# Altium PCB PCBDesign.PcbDoc (part 3 of 8) (continued)
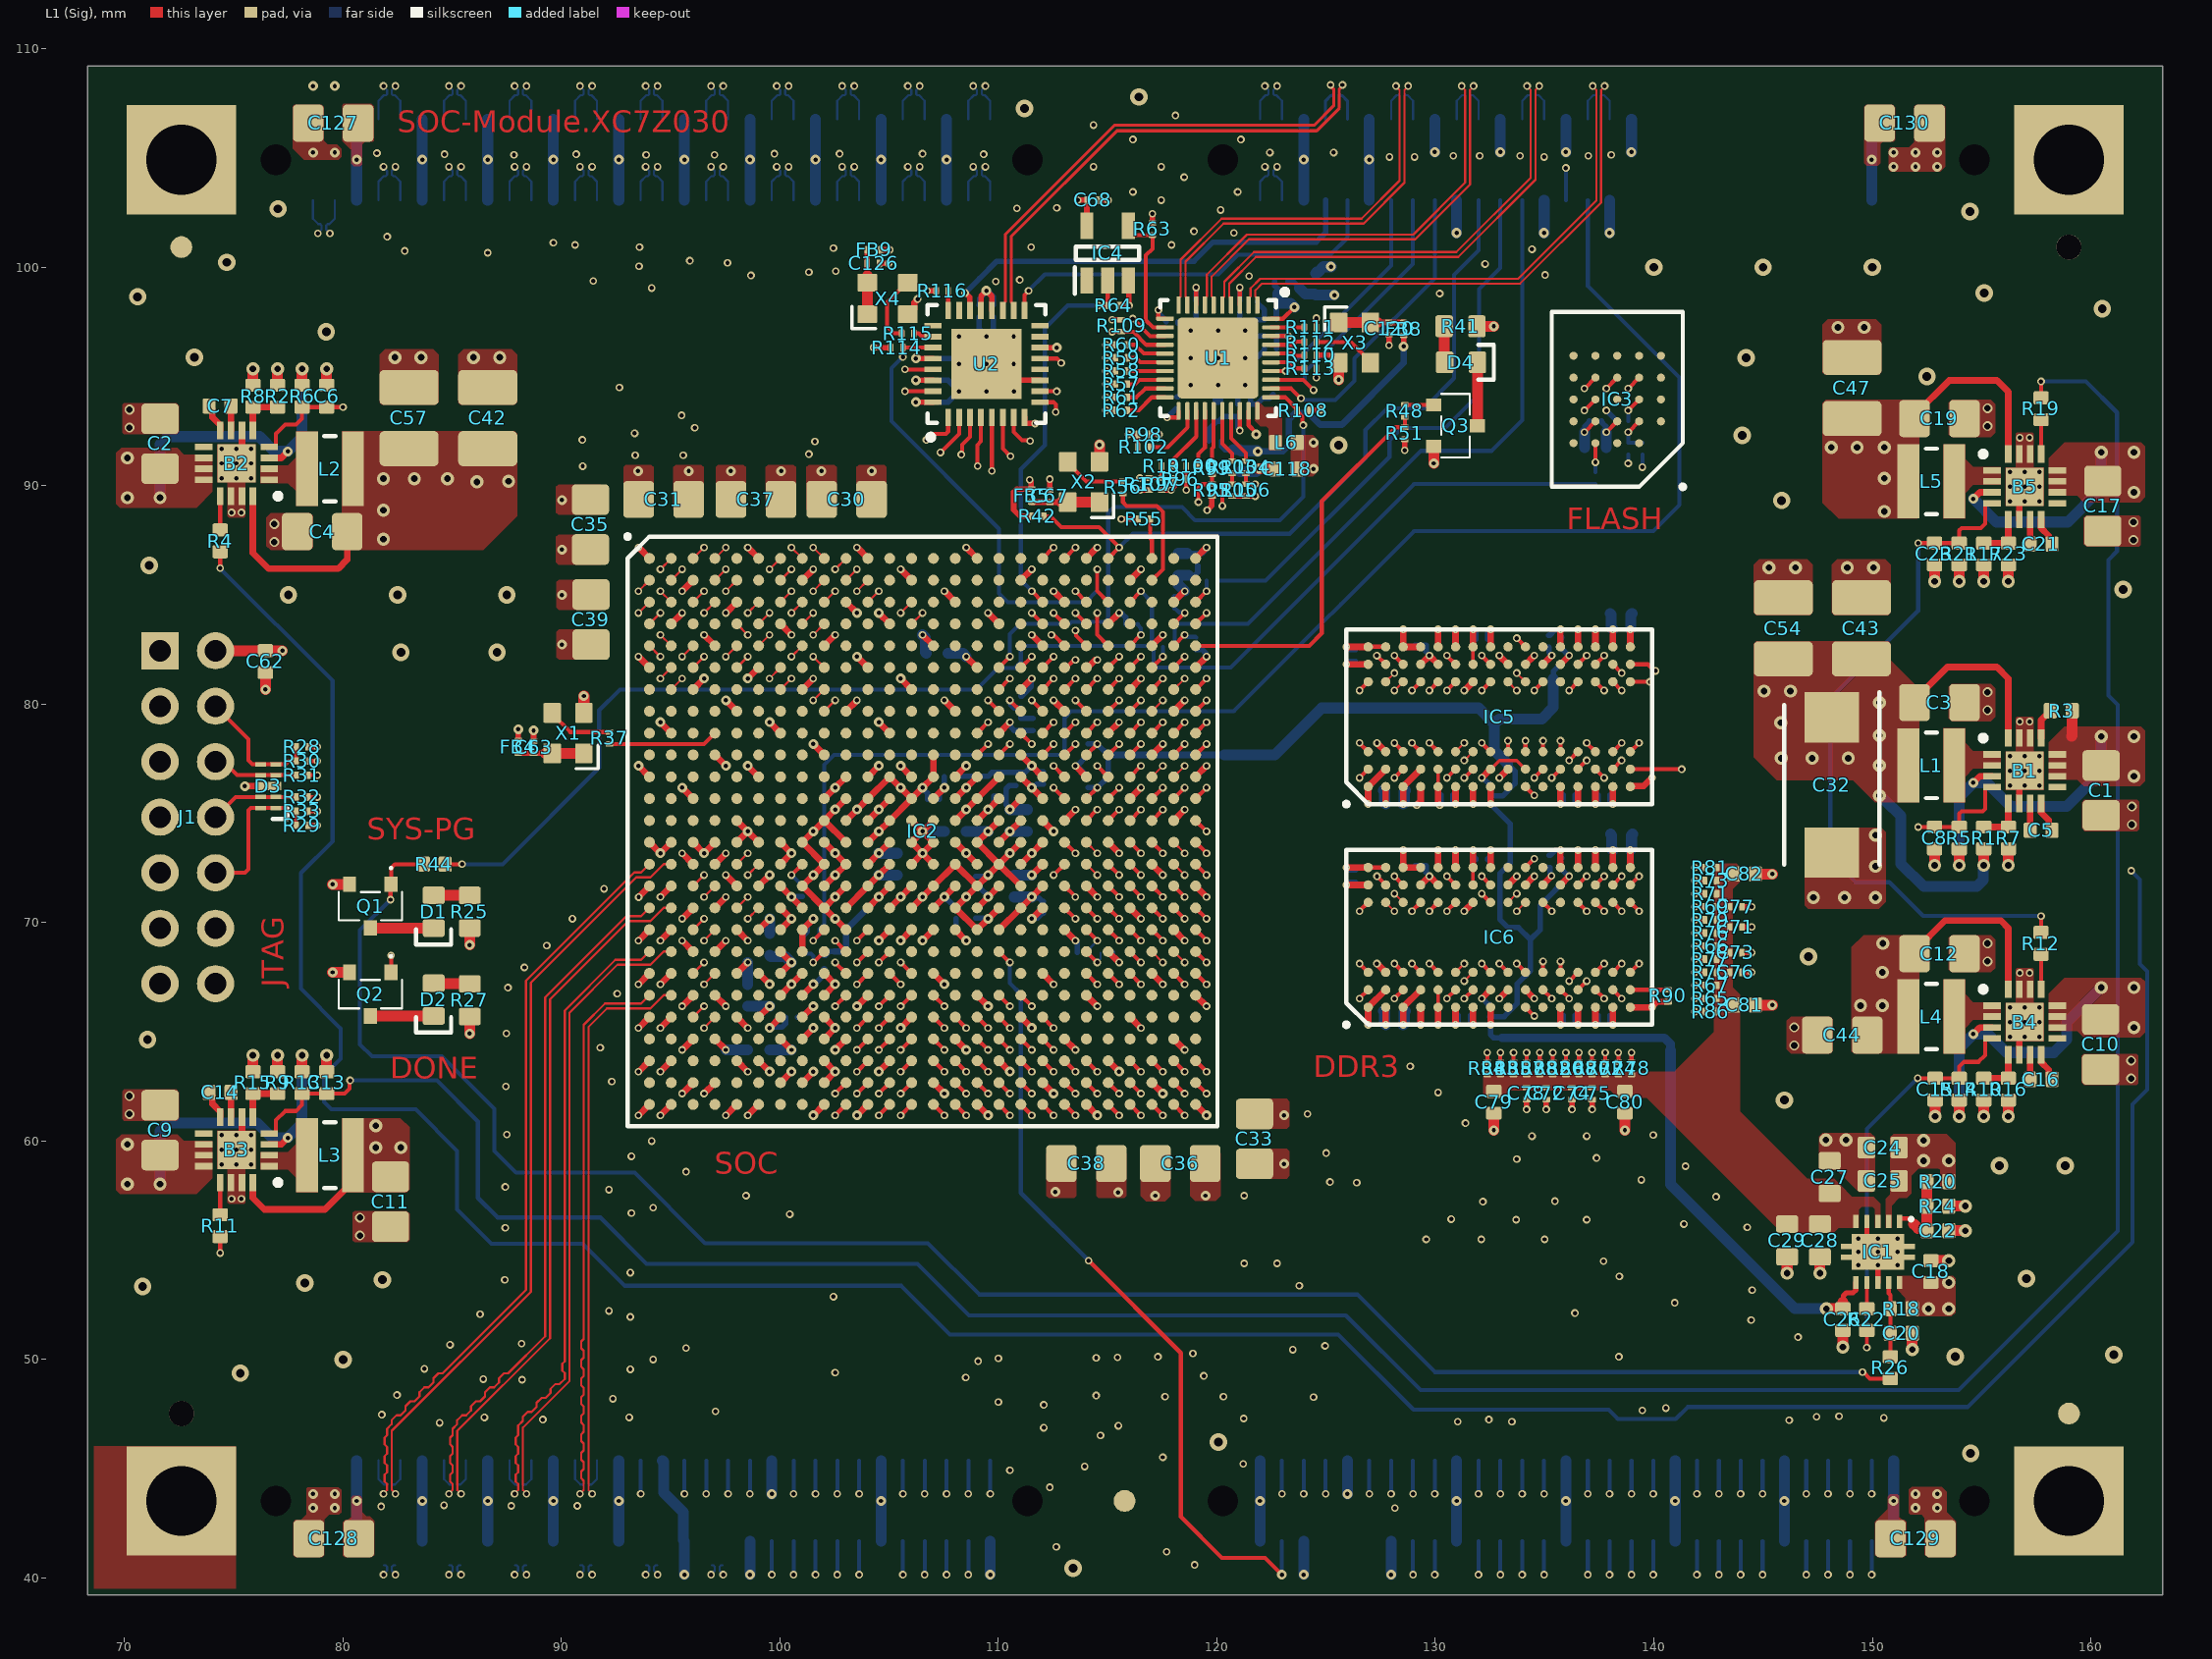
[diagram p0: L1 (Sig) view]
## Nets (pads, with @x,y where several pads share a name; then routed paths per layer and width w, separated by ;. In a path a pad name is that pad's centre, name@x,y a point inside that pad or via, vN(x,y) a via of type N, cw(c..) or ccw(c..) an arc to the next point about the centre after c; other vN are vias at no path point) (continued)
  L10 (Sig) w0.185: v1(107.625,40.15) J5.5@107.625,41.675
B12_IO19N: IC2.AA17 J3.23 | length 61.7
  L1 (Sig) w0.185: IC2.AA17@110.025,66.675 v1(110.525,66.175)
  L7 (Sig) w0.11: v1(110.525,66.175) 111.025,65.675 111.025,62.025 111.375,61.675 125.25,61.675 130.075,56.85 139.675,56.85 141.975,54.55 141.975,44.514 141.911,44.45 141.539,44.45 141.475,44.386 141.475,43.514 141.539,43.45 141.911,43.45 141.975,43.386 141.975,42.875 141.975,42.82 142.039,42.756 142.352,42.756 142.403,42.705 142.403,42.297 142.352,42.246 140.914,42.246 140.863,42.195 140.863,41.787 140.914,41.736 142.352,41.736 142.403,41.685 142.403,41.277 142.352,41.226 140.914,41.226 140.863,41.175 140.863,40.767 140.914,40.716 141.911,40.716 141.975,40.651 141.975,40.225 v1(141.975,40.15)
  L10 (Sig) w0.185: v1(141.975,40.15) J3.23@141.975,41.675
B12_IO20N: IC2.AB16 J3.29 | length 59.9
  L1 (Sig) w0.185: IC2.AB16@109.025,65.675 v1(109.525,65.175)
  L7 (Sig) w0.11: v1(109.525,65.175) 109.025,64.675 109.025,60.65 110.175,59.5 124.375,59.5 128.9,54.975 138.35,54.975 138.975,54.35 138.975,47.675 138.975,47.559 138.911,47.494 138.656,47.494 138.605,47.443 138.605,47.035 138.656,46.984 139.216,46.984 139.267,46.933 139.267,46.525 139.216,46.474 138.656,46.474 138.605,46.423 138.605,46.015 138.656,45.964 139.216,45.964 139.267,45.913 139.267,45.505 139.216,45.454 138.656,45.454 138.605,45.403 138.605,44.995 138.656,44.944 138.911,44.944 138.975,44.88 138.975,44.825 138.975,44.364 138.911,44.3 138.539,44.3 138.475,44.236 138.475,43.539 138.539,43.475 138.911,43.475 138.975,43.411 138.975,43 138.975,42.314 138.911,42.249 138.384,42.249 138.333,42.198 138.333,41.79 138.384,41.739 138.944,41.739 138.995,41.688 138.995,41.28 138.944,41.229 138.384,41.229 138.333,41.178 138.333,40.77 138.384,40.719 138.911,40.719 138.975,40.655 138.975,40.6 v1(138.975,40.15)
  L10 (Sig) w0.185: v1(138.975,40.15) J3.29@138.975,41.675
B12_IO20P: IC2.AB17 J3.27 | length 59.5
  L1 (Sig) w0.185: IC2.AB17@110.025,65.675 v1(110.525,65.175)
  L7 (Sig) w0.11: v1(110.525,65.175) 110.025,64.675 110.025,60.95 110.4,60.575 124.975,60.575 129.625,55.925 139.4,55.925 139.975,55.35 139.975,44.364 139.911,44.3 139.6,44.3 139.475,44.175 139.475,43.514 139.539,43.45 139.911,43.45 139.975,43.386 139.975,43.132 139.975,42.824 140.039,42.759 140.448,42.759 140.499,42.708 140.499,42.3 140.448,42.249 139.334,42.249 139.283,42.198 139.283,41.79 139.334,41.739 140.448,41.739 140.499,41.688 140.499,41.28 140.448,41.229 139.334,41.229 139.283,41.178 139.283,40.77 139.334,40.719 139.911,40.719 139.975,40.655 139.975,40.6 v1(139.975,40.15)
  L10 (Sig) w0.185: v1(139.975,40.15) J3.27@139.975,41.675
B12_IO21N: IC2.AC16 J3.58 | length 58.9
  L1 (Sig) w0.185: IC2.AC16@109.025,64.675 v1(109.525,64.175)
  L5 (Sig) w0.11: v1(109.525,64.175) 110.025,63.675 110.025,55.475 111.625,53.875 126.7,53.875 127.8,52.775 133.511,52.775 133.575,52.711 133.575,50.189 133.511,50.125 128.65,50.125 128.595,50.125 128.531,50.061 128.531,49.511 128.48,49.46 128.072,49.46 128.021,49.511 128.021,50.437 127.97,50.488 127.562,50.488 127.511,50.437 127.511,49.511 127.46,49.46 127.052,49.46 127.001,49.511 127.001,50.437 126.95,50.488 126.542,50.488 126.491,50.437 126.491,49.511 126.44,49.46 126.032,49.46 125.981,49.511 125.981,50.437 125.93,50.488 125.522,50.488 125.471,50.437 125.471,50.189 125.406,50.125 125.2,50.125 125.15,50.075 124.975,49.9 v1(124.975,43.85)
  L10 (Sig) w0.185: v1(124.975,43.85) J3.58@124.975,45.375
B12_IO21P: IC2.AC17 J3.54 | length 58.8
  L1 (Sig) w0.185: IC2.AC17@110.025,64.675 v1(110.525,64.175)
  L5 (Sig) w0.11: v1(110.525,64.175) 111.025,63.675 111.025,55.925 112,54.95 127.1,54.95 128.25,53.8 134.25,53.8 134.375,53.675 134.375,49.325 134.025,48.975 133.6,48.975 133.545,48.975 133.481,48.911 133.481,48.374 133.43,48.323 133.022,48.323 132.971,48.374 132.971,49.132 132.92,49.183 132.512,49.183 132.461,49.132 132.461,48.374 132.41,48.323 132.002,48.323 131.951,48.374 131.951,49.132 131.9,49.183 131.492,49.183 131.441,49.132 131.441,48.374 131.39,48.323 130.982,48.323 130.931,48.374 130.931,49.132 130.88,49.183 130.472,49.183 130.421,49.132 130.421,48.374 130.37,48.323 129.962,48.323 129.911,48.374 129.911,49.132 129.86,49.183 129.452,49.183 129.401,49.132 129.401,48.374 129.35,48.323 128.942,48.323 128.891,48.374 128.891,48.911 128.826,48.975 128.585,48.975 128.275,48.975 126.975,47.675 v1(126.975,43.85)
  L10 (Sig) w0.185: v1(126.975,43.85) J3.54@126.975,45.375
B12_IO22N: IC2.AA14 J3.39 | length 59.4
  L1 (Sig) w0.185: IC2.AA14@107.025,66.675 v1(107.525,66.175)
  L7 (Sig) w0.11: v1(107.525,66.175) 106.025,64.675 106.025,58.8 109.55,55.275 121.05,55.275 125.1,51.225 135.225,51.225 135.35,51.1 135.35,45.889 135.286,45.825 134.039,45.825 133.975,45.761 133.975,44.414 133.911,44.35 133.539,44.35 133.475,44.286 133.475,43.539 133.539,43.475 133.911,43.475 133.975,43.411 133.975,43.1 133.975,42.699 134.039,42.634 134.453,42.634 134.504,42.583 134.504,42.175 134.453,42.124 133.581,42.124 133.53,42.073 133.53,41.665 133.581,41.614 134.453,41.614 134.504,41.563 134.504,41.155 134.453,41.104 133.581,41.104 133.53,41.053 133.53,40.645 133.581,40.594 133.911,40.594 133.975,40.53 133.975,40.475 v1(133.975,40.15)
  L10 (Sig) w0.185: v1(133.975,40.15) J3.39@133.975,41.675
B12_LED: IC2.W17 J3.61 | length 36.6
  L1 (Sig) w0.185: IC2.W17@110.025,68.675 v1(110.525,68.175) ; v1(114.125,54.525) 118.35,50.3 118.35,42.8 120.225,40.925 122.2,40.925 v2(122.975,40.15)
  L10 (Sig) w0.185: v1(110.525,68.175) 110.525,67.225 111.025,66.725 111.025,57.625 v1(114.125,54.525) ; v2(122.975,40.15) J3.61@122.975,41.675
B13_IO3N: IC2.AE26 J3.12 | length 48.1
  L1 (Sig) w0.185: IC2.AE26@119.025,62.675 v1(119.525,62.175)
  L3 (Sig) w0.11: v1(119.525,62.175) 126.275,62.175 130.7,57.75 137.8,57.75 144.617,50.933 144.656,50.894 144.747,50.894 145.055,51.202 145.127,51.202 145.415,50.913 145.415,50.841 145.09,50.515 145.09,50.443 145.378,50.155 145.45,50.155 145.776,50.48 145.848,50.48 146.137,50.192 146.137,50.12 145.811,49.794 145.811,49.722 146.099,49.433 146.171,49.433 146.497,49.759 146.569,49.759 146.858,49.471 146.858,49.398 146.532,49.073 146.532,49.001 146.821,48.712 146.893,48.712 147.218,49.038 147.291,49.038 147.579,48.749 147.579,48.677 147.271,48.37 147.271,48.279 147.337,48.213 147.376,48.174 147.975,47.575 147.975,47 147.975,46.945 148.039,46.881 148.591,46.881 148.642,46.83 148.642,46.422 148.591,46.371 148.01,46.371 147.959,46.32 147.959,45.912 148.01,45.861 148.591,45.861 148.642,45.81 148.642,45.402 148.591,45.351 148.01,45.351 147.959,45.3 147.959,44.892 148.01,44.841 148.591,44.841 148.642,44.79 148.642,44.382 148.591,44.331 148.039,44.331 147.975,44.266 147.975,44.03 v1(147.975,43.85)
  L10 (Sig) w0.185: v1(147.975,43.85) J3.12@147.975,45.375
B13_IO3P: IC2.AE25 J3.14 | length 48.1
  L1 (Sig) w0.185: IC2.AE25@118.025,62.675 v1(118.525,62.175)
  L3 (Sig) w0.11: v1(118.525,62.175) 119.025,61.675 124.75,61.675 129.6,56.825 137.4,56.825 144.688,49.538 144.726,49.499 144.818,49.499 145.023,49.704 145.095,49.704 145.384,49.416 145.384,49.344 145.166,49.126 145.166,49.054 145.455,48.766 145.527,48.766 145.744,48.983 145.817,48.983 146.105,48.695 146.105,48.622 145.899,48.417 145.899,48.326 146.046,48.179 146.975,47.25 146.975,47 146.975,46.945 147.039,46.881 147.558,46.881 147.609,46.83 147.609,46.422 147.558,46.371 146.274,46.371 146.223,46.32 146.223,45.912 146.274,45.861 147.558,45.861 147.609,45.81 147.609,45.402 147.558,45.351 146.274,45.351 146.223,45.3 146.223,44.892 146.274,44.841 147.558,44.841 147.609,44.79 147.609,44.382 147.558,44.331 147.039,44.331 146.975,44.266 146.975,44.133 v1(146.975,43.85)
  L10 (Sig) w0.185: v1(146.975,43.85) J3.14@146.975,45.375
B13_IO4N: IC2.AD26 J3.8 | length 48.7
  L1 (Sig) w0.185: IC2.AD26@119.025,63.675 v1(119.525,63.175)
  L3 (Sig) w0.11: v1(119.525,63.175) 128.441,63.175 131.816,59.8 138.6,59.8 149.975,48.425 149.975,46.999 149.975,46.944 150.039,46.88 150.868,46.88 150.919,46.829 150.919,46.421 150.868,46.37 150.019,46.37 149.968,46.319 149.968,45.911 150.019,45.86 150.868,45.86 150.919,45.809 150.919,45.401 150.868,45.35 150.019,45.35 149.968,45.299 149.968,44.891 150.019,44.84 150.868,44.84 150.919,44.789 150.919,44.381 150.868,44.33 150.039,44.33 149.975,44.265 149.975,44.054 v1(149.975,43.85)
  L10 (Sig) w0.185: v1(149.975,43.85) J3.8@149.975,45.375
B13_IO4P: IC2.AD25 J3.10 | length 50.3
  L1 (Sig) w0.185: IC2.AD25@118.025,63.675 v1(118.525,63.175)
  L3 (Sig) w0.11: v1(118.525,63.175) 119.025,62.675 127.3,62.675 131.175,58.8 138.2,58.8 146.781,50.219 146.82,50.18 146.911,50.18 147.141,50.411 147.214,50.411 147.502,50.123 147.502,50.051 147.254,49.803 147.254,49.731 147.543,49.442 147.615,49.442 147.863,49.69 147.935,49.69 148.223,49.401 148.223,49.329 147.976,49.082 147.976,49.009 148.264,48.721 148.336,48.721 148.584,48.969 148.656,48.969 148.945,48.68 148.945,48.608 148.714,48.377 148.714,48.286 148.761,48.239 148.8,48.2 148.975,48.025 148.975,48.016 148.975,47.961 149.039,47.897 149.577,47.897 149.628,47.846 149.628,47.438 149.577,47.387 149.013,47.387 148.962,47.336 148.962,46.928 149.013,46.877 149.577,46.877 149.628,46.826 149.628,46.418 149.577,46.367 149.013,46.367 148.962,46.316 148.962,45.908 149.013,45.857 149.577,45.857 149.628,45.806 149.628,45.398 149.577,45.347 149.013,45.347 148.962,45.296 148.962,44.888 149.013,44.837 149.577,44.837 149.628,44.786 149.628,44.378 149.577,44.327 149.039,44.327 148.975,44.262 148.975,44.018 v1(148.975,43.85)
  L10 (Sig) w0.185: v1(148.975,43.85) J3.10@148.975,45.375
B13_IO5N: IC2.AF25 J3.18 | length 47.9
  L1 (Sig) w0.185: IC2.AF25@118.025,61.675 v1(118.525,61.175)
  L3 (Sig) w0.11: v1(118.525,61.175) 118.975,60.725 124.3,60.725 129.125,55.9 137,55.9 143.312,49.587 143.351,49.549 143.443,49.549 143.653,49.759 143.725,49.759 144.014,49.471 144.014,49.398 143.604,48.988 143.604,48.916 143.892,48.628 143.964,48.628 144.374,49.038 144.446,49.038 144.735,48.749 144.735,48.677 144.524,48.467 144.524,48.376 144.836,48.064 144.875,48.025 144.994,47.906 145.614,47.906 145.665,47.855 145.665,47.447 145.614,47.396 144.576,47.396 144.525,47.345 144.525,46.937 144.576,46.886 145.614,46.886 145.665,46.835 145.665,46.427 145.614,46.376 144.576,46.376 144.525,46.325 144.525,45.917 144.576,45.866 145.614,45.866 145.665,45.815 145.665,45.407 145.614,45.356 144.576,45.356 144.525,45.305 144.525,44.897 144.576,44.846 145.614,44.846 145.665,44.795 145.665,44.387 145.614,44.336 145.039,44.336 144.975,44.271 144.975,44.011 v1(144.975,43.85)
  L10 (Sig) w0.185: v1(144.975,43.85) J3.18@144.975,45.375
B13_IO5P: IC2.AF24 J3.20 | length 49.5
  L1 (Sig) w0.185: IC2.AF24@117.025,61.675 v1(117.525,61.175)
  L3 (Sig) w0.11: v1(117.525,61.175) 118.625,60.075 123.8,60.075 128.8,55.075 136.5,55.075 139.462,52.112 139.501,52.074 139.593,52.074 139.881,52.362 139.953,52.362 140.242,52.074 140.242,52.002 139.748,51.508 139.748,51.436 140.036,51.147 140.108,51.147 140.603,51.641 140.675,51.641 140.963,51.353 140.963,51.281 140.469,50.786 140.469,50.714 140.758,50.426 140.83,50.426 141.324,50.92 141.396,50.92 141.684,50.631 141.684,50.559 141.19,50.065 141.19,49.993 141.479,49.705 141.551,49.705 142.045,50.199 142.117,50.199 142.406,49.91 142.406,49.838 141.912,49.344 141.912,49.272 142.2,48.983 142.272,48.983 142.766,49.477 142.838,49.477 143.127,49.189 143.127,49.117 142.838,48.828 142.838,48.737 142.924,48.651 142.962,48.612 143.625,47.95 143.68,47.895 144.108,47.895 144.159,47.844 144.159,47.436 144.108,47.385 143.455,47.385 143.404,47.334 143.404,46.926 143.455,46.875 144.108,46.875 144.159,46.824 144.159,46.416 144.108,46.365 143.455,46.365 143.404,46.314 143.404,45.906 143.455,45.855 144.108,45.855 144.159,45.804 144.159,45.396 144.108,45.345 143.455,45.345 143.404,45.294 143.404,44.886 143.455,44.835 144.108,44.835 144.159,44.784 144.159,44.376 144.108,44.325 144.039,44.325 143.975,44.261 143.975,43.882 v1(143.975,43.85)
  L10 (Sig) w0.185: v1(143.975,43.85) J3.20@143.975,45.375
B13_IO7N: IC2.AF22 J3.30 | length 47.9
  L1 (Sig) w0.185: IC2.AF22@115.025,61.675 v1(115.525,61.175)
  L3 (Sig) w0.11: v1(115.525,61.175) 115.525,58.35 116.825,57.05 122.075,57.05 127.35,51.775 133.452,51.775 133.709,51.775 133.773,51.711 133.773,51.48 133.824,51.429 134.232,51.429 134.283,51.48 134.283,51.711 134.348,51.775 134.403,51.775 134.875,51.775 134.89,51.76 134.929,51.721 135.009,51.641 135.009,51.55 134.835,51.376 134.835,51.304 135.123,51.015 135.195,51.015 135.694,51.513 135.766,51.513 136.054,51.225 136.054,51.153 135.556,50.655 135.556,50.582 135.844,50.294 135.917,50.294 136.415,50.792 136.487,50.792 136.776,50.504 136.776,50.432 136.277,49.933 136.277,49.861 136.566,49.573 136.638,49.573 137.136,50.071 137.208,50.071 137.497,49.782 137.497,49.71 136.998,49.212 136.998,49.14 137.287,48.851 137.359,48.851 137.857,49.35 137.93,49.35 138.218,49.061 138.218,48.989 137.72,48.491 137.72,48.419 138.008,48.13 138.08,48.13 138.255,48.304 138.346,48.304 138.385,48.265 138.975,47.675 138.975,47.425 138.975,47.344 139.039,47.279 139.162,47.279 139.213,47.228 139.213,46.82 139.162,46.769 138.527,46.769 138.476,46.718 138.476,46.31 138.527,46.259 139.162,46.259 139.213,46.208 139.213,45.8 139.162,45.749 138.527,45.749 138.476,45.698 138.476,45.29 138.527,45.239 139.162,45.239 139.213,45.188 139.213,44.78 139.162,44.729 138.527,44.729 138.476,44.678 138.476,44.27 138.527,44.219 138.911,44.219 138.975,44.155 138.975,44.1 v1(138.975,43.85)
  L10 (Sig) w0.185: v1(138.975,43.85) J3.30@138.975,45.375
B13_IO7P: IC2.AE22 J3.28 | length 47.1
  L1 (Sig) w0.185: IC2.AE22@115.025,62.675 v1(115.525,62.175)
  L3 (Sig) w0.11: v1(115.525,62.175) 116.025,61.675 116.025,59.45 117.525,57.95 122.425,57.95 127.8,52.575 135.4,52.575 138.696,49.279 138.734,49.241 138.826,49.241 138.947,49.362 139.02,49.362 139.308,49.074 139.308,49.002 138.884,48.578 138.884,48.506 139.173,48.217 139.245,48.217 139.456,48.428 139.547,48.428 139.825,48.15 139.975,48 139.975,47.394 139.975,47.339 140.039,47.275 140.884,47.275 140.935,47.224 140.935,46.816 140.884,46.765 139.598,46.765 139.547,46.714 139.547,46.306 139.598,46.255 140.884,46.255 140.935,46.204 140.935,45.796 140.884,45.745 139.598,45.745 139.547,45.694 139.547,45.286 139.598,45.235 140.884,45.235 140.935,45.184 140.935,44.776 140.884,44.725 139.598,44.725 139.547,44.674 139.547,44.266 139.598,44.215 139.911,44.215 139.975,44.151 v1(139.975,43.85)
  L10 (Sig) w0.185: v1(139.975,43.85) J3.28@139.975,45.375
B13_IO8N: IC2.AF23 J3.24 | length 49.3
  L1 (Sig) w0.185: IC2.AF23@116.025,61.675 v1(116.525,61.175)
  L3 (Sig) w0.11: v1(116.525,61.175) 116.525,60.425 118.2,58.75 122.6,58.75 127.925,53.425 129.325,53.425 129.841,53.425 129.906,53.489 129.906,53.726 129.957,53.776 130.365,53.776 130.416,53.726 130.416,53.03 130.467,52.979 130.875,52.979 130.926,53.03 130.926,53.726 130.977,53.776 131.385,53.776 131.436,53.726 131.436,53.03 131.487,52.979 131.895,52.979 131.946,53.03 131.946,53.726 131.997,53.776 132.405,53.776 132.456,53.726 132.456,53.03 132.507,52.979 132.915,52.979 132.966,53.03 132.966,53.726 133.017,53.776 133.425,53.776 133.476,53.726 133.476,53.03 133.527,52.979 133.935,52.979 133.986,53.03 133.986,53.726 134.037,53.776 134.445,53.776 134.496,53.726 134.496,53.03 134.547,52.979 134.955,52.979 135.006,53.03 135.006,53.361 135.07,53.425 135.125,53.425 135.65,53.425 141.625,47.45 141.801,47.274 142.052,47.274 142.103,47.223 142.103,46.815 142.052,46.764 141.303,46.764 141.252,46.713 141.252,46.305 141.303,46.254 142.052,46.254 142.103,46.203 142.103,45.795 142.052,45.744 141.303,45.744 141.252,45.693 141.252,45.285 141.303,45.234 142.052,45.234 142.103,45.183 142.103,44.775 142.052,44.724 141.303,44.724 141.252,44.673 141.252,44.265 141.303,44.214 141.911,44.214 141.975,44.15 141.975,44.095 v1(141.975,43.85)
  L10 (Sig) w0.185: v1(141.975,43.85) J3.24@141.975,45.375
B13_IO8P: IC2.AE23 J3.22 | length 50.6
  L1 (Sig) w0.185: IC2.AE23@116.025,62.675 v1(116.525,62.175)
  L3 (Sig) w0.11: v1(116.525,62.175) 116.525,62.711 116.589,62.775 116.959,62.775 117.024,62.711 117.024,60.751 118.4,59.375 123.3,59.375 128.4,54.275 136,54.275 137.374,52.901 137.413,52.862 137.504,52.862 137.663,53.021 137.735,53.021 138.024,52.732 138.024,52.66 137.651,52.288 137.651,52.216 137.94,51.927 138.012,51.927 138.384,52.299 138.456,52.299 138.745,52.011 138.745,51.939 138.372,51.566 138.372,51.494 138.661,51.206 138.733,51.206 139.105,51.578 139.178,51.578 139.466,51.29 139.466,51.218 139.094,50.845 139.094,50.773 139.382,50.485 139.454,50.485 139.827,50.857 139.899,50.857 140.187,50.568 140.187,50.496 139.815,50.124 139.815,50.052 140.103,49.763 140.176,49.763 140.548,50.136 140.62,50.136 140.909,49.847 140.909,49.775 140.536,49.403 140.536,49.331 140.825,49.042 140.897,49.042 141.269,49.414 141.341,49.414 141.63,49.126 141.63,49.054 141.257,48.681 141.257,48.609 141.546,48.321 141.618,48.321 141.99,48.693 142.063,48.693 142.351,48.405 142.351,48.333 141.979,47.96 141.979,47.888 142.267,47.6 142.339,47.6 142.462,47.722 142.553,47.722 142.625,47.65 142.975,47.3 142.975,47 142.975,46.945 143.039,46.881 143.057,46.881 143.108,46.83 143.108,46.422 143.057,46.371 142.524,46.371 142.473,46.32 142.473,45.912 142.524,45.861 143.057,45.861 143.108,45.81 143.108,45.402 143.057,45.351 142.524,45.351 142.473,45.3 142.473,44.892 142.524,44.841 143.057,44.841 143.108,44.79 143.108,44.382 143.057,44.331 143.039,44.331 142.975,44.266 142.975,44.075 v1(142.975,43.85)
  L10 (Sig) w0.185: v1(142.975,43.85) J3.22@142.975,45.375
B13_IO11N: IC2.AD24 J3.9 | length 50.8
  L1 (Sig) w0.185: IC2.AD24@117.025,63.675 v1(117.525,63.175)
  L5 (Sig) w0.11: v1(117.525,63.175) 118.025,62.675 126.05,62.675 130.4,58.325 138.5,58.325 148.975,47.85 148.975,44.925 148.475,44.425 148.475,43.725 148.975,43.225 148.975,42.875 148.975,42.82 149.039,42.756 149.488,42.756 149.539,42.705 149.539,42.297 149.488,42.246 148.847,42.246 148.796,42.195 148.796,41.787 148.847,41.736 149.488,41.736 149.539,41.685 149.539,41.277 149.488,41.226 148.847,41.226 148.796,41.175 148.796,40.767 148.847,40.716 148.911,40.716 148.975,40.651 148.975,40.5 v1(148.975,40.15)
  L10 (Sig) w0.185: v1(148.975,40.15) J3.9@148.975,41.675
B13_IO11P: IC2.AD23 J3.7 | length 51.1
  L1 (Sig) w0.185: IC2.AD23@116.025,63.675 v1(116.525,63.175)
  L5 (Sig) w0.11: v1(116.525,63.175) 117.025,63.675 127.3,63.675 131.325,59.65 138.65,59.65 149.975,48.325 149.975,44.925 149.475,44.425 149.475,43.725 149.975,43.225 149.975,41.52 149.975,41.465 150.039,41.401 150.125,41.401 150.176,41.35 150.176,40.942 150.125,40.891 150.039,40.891 149.975,40.826 149.975,40.55 v1(149.975,40.15)
  L10 (Sig) w0.185: v1(149.975,40.15) J3.7@149.975,41.675
B13_IO13N: IC2.AD21 J3.11 | length 51.1
  L1 (Sig) w0.185: IC2.AD21@114.025,63.675 v1(114.525,63.175)
  L5 (Sig) w0.11: v1(114.525,63.175) 115.025,62.675 116.75,62.675 117.025,62.4 117.025,61.875 117.225,61.675 125.9,61.675 129.95,57.625 138.075,57.625 147.975,47.725 147.975,44.925 147.475,44.425 147.475,43.725 147.975,43.225 147.975,41.841 147.975,41.786 148.039,41.722 148.196,41.722 148.247,41.671 148.247,41.263 148.196,41.212 147.86,41.212 147.809,41.161 147.809,40.753 147.86,40.702 147.911,40.702 147.975,40.637 147.975,40.525 v1(147.975,40.15)
  L10 (Sig) w0.185: v1(147.975,40.15) J3.11@147.975,41.675
B13_IO13P: IC2.AD20 J3.13 | length 50.7
  L1 (Sig) w0.185: IC2.AD20@113.025,63.675 v1(113.525,63.175)
  L5 (Sig) w0.11: v1(113.525,63.175) 114.025,62.675 114.025,61.875 114.225,61.675 116.625,61.675 117.025,61.275 117.025,60.825 117.325,60.525 125.9,60.525 129.6,56.825 137.675,56.825 146.975,47.525 146.975,44.925 146.475,44.425 146.475,43.725 146.975,43.225 v1(146.975,40.15)
  L10 (Sig) w0.185: v1(146.975,40.15) J3.13@146.975,41.675
B13_IO15N: IC2.AF20 J3.38 | length 48.5
  L1 (Sig) w0.185: IC2.AF20@113.025,61.675 v1(113.525,61.175)
  L3 (Sig) w0.11: v1(113.525,61.175) 113.525,57.075 116.25,54.35 120.5,54.35 124.061,50.789 124.388,50.462 124.388,50.371 124.168,50.151 124.168,50.079 124.457,49.79 124.529,49.79 124.779,50.041 124.851,50.041 125.14,49.752 125.14,49.68 124.889,49.43 124.889,49.357 125.178,49.069 125.25,49.069 125.47,49.289 125.561,49.289 125.6,49.25 125.65,49.2 125.85,49.2 126.136,49.2 126.201,49.136 126.201,49.088 126.252,49.037 126.66,49.037 126.711,49.088 126.711,49.528 126.762,49.579 127.17,49.579 127.221,49.528 127.221,49.088 127.272,49.037 127.68,49.037 127.731,49.088 127.731,49.528 127.782,49.579 128.19,49.579 128.241,49.528 128.241,49.088 128.292,49.037 128.7,49.037 128.751,49.088 128.751,49.528 128.802,49.579 129.21,49.579 129.261,49.528 129.261,49.088 129.312,49.037 129.72,49.037 129.771,49.088 129.771,49.528 129.822,49.579 130.23,49.579 130.281,49.528 130.281,49.088 130.332,49.037 130.74,49.037 130.791,49.088 130.791,49.528 130.842,49.579 131.25,49.579 131.301,49.528 131.301,49.088 131.352,49.037 131.76,49.037 131.811,49.088 131.811,49.528 131.862,49.579 132.27,49.579 132.321,49.528 132.321,49.088 132.372,49.037 132.78,49.037 132.831,49.088 132.831,49.136 132.895,49.2 132.95,49.2 133.55,49.2 134.975,47.775 134.975,47.654 134.975,47.334 135.039,47.27 135.854,47.27 135.905,47.219 135.905,46.811 135.854,46.76 134.96,46.76 134.909,46.709 134.909,46.301 134.96,46.25 135.854,46.25 135.905,46.199 135.905,45.791 135.854,45.74 134.96,45.74 134.909,45.689 134.909,45.281 134.96,45.23 135.854,45.23 135.905,45.179 135.905,44.771 135.854,44.72 135.039,44.72 134.975,44.655 134.975,44.09 v1(134.975,43.85)
  L10 (Sig) w0.185: v1(134.975,43.85) J3.38@134.975,45.375
B13_IO15P: IC2.AF19 J3.42 | length 48.4
  L1 (Sig) w0.185: IC2.AF19@112.025,61.675 v1(112.525,61.175)
  L3 (Sig) w0.11: v1(112.525,61.175) 112.525,59.814 112.461,59.75 112.164,59.75 112.1,59.686 112.1,55.725 115.475,52.35 119.55,52.35 122.309,49.591 122.452,49.448 122.544,49.448 122.729,49.633 122.801,49.633 123.09,49.344 123.09,49.272 122.714,48.897 122.714,48.824 123.002,48.536 123.074,48.536 123.45,48.912 123.522,48.912 123.811,48.623 123.811,48.551 123.435,48.175 123.435,48.103 123.724,47.815 123.796,47.815 123.895,47.914 123.986,47.914 124.025,47.875 124.035,47.865 124.156,47.744 124.156,47.435 124.207,47.384 124.615,47.384 124.666,47.435 124.666,47.834 124.717,47.885 125.125,47.885 125.176,47.834 125.176,47.435 125.227,47.384 125.635,47.384 125.686,47.435 125.686,47.834 125.737,47.885 126.145,47.885 126.196,47.834 126.196,47.435 126.247,47.384 126.655,47.384 126.706,47.435 126.706,47.834 126.757,47.885 127.165,47.885 127.216,47.834 127.216,47.435 127.267,47.384 127.675,47.384 127.726,47.435 127.726,47.834 127.777,47.885 128.185,47.885 128.236,47.834 128.236,47.435 128.287,47.384 128.695,47.384 128.746,47.435 128.746,47.834 128.797,47.885 129.205,47.885 129.256,47.834 129.256,47.435 129.307,47.384 129.715,47.384 129.766,47.435 129.766,47.834 129.817,47.885 130.225,47.885 130.276,47.834 130.276,47.435 130.327,47.384 130.735,47.384 130.786,47.435 130.786,47.834 130.837,47.885 131.245,47.885 131.296,47.834 131.296,47.435 131.347,47.384 131.755,47.384 131.806,47.435 131.806,47.686 131.87,47.75 131.925,47.75 132.911,47.75 132.975,47.686 132.975,47.086 132.975,46.862 132.911,46.797 132.448,46.797 132.397,46.746 132.397,46.338 132.448,46.287 132.981,46.287 133.032,46.236 133.032,45.828 132.981,45.777 132.448,45.777 132.397,45.726 132.397,45.318 132.448,45.267 132.981,45.267 133.032,45.216 133.032,44.808 132.981,44.757 132.448,44.757 132.397,44.706 132.397,44.298 132.448,44.247 132.911,44.247 132.975,44.183 132.975,44.128 v1(132.975,43.85)
  L10 (Sig) w0.185: v1(132.975,43.85) J3.42@132.975,45.375
B13_IO16N: IC2.AE21 J3.32 | length 53.3
  L1 (Sig) w0.185: IC2.AE21@114.025,62.675 v1(114.525,62.175)
  L3 (Sig) w0.11: v1(114.525,62.175) 114.525,62.711 114.589,62.775 114.961,62.775 115.025,62.711 115.025,57.25 116.1,56.175 121.8,56.175 126.4,51.575 126.439,51.536 126.53,51.536 126.701,51.707 126.773,51.707 127.062,51.418 127.062,51.346 126.891,51.175 126.891,51.084 127.075,50.9 127.282,50.9 127.6,50.9 127.655,50.9 127.719,50.964 127.719,51.262 127.77,51.313 128.178,51.313 128.229,51.262 128.229,50.737 128.28,50.686 128.688,50.686 128.739,50.737 128.739,51.262 128.79,51.313 129.198,51.313 129.249,51.262 129.249,50.737 129.3,50.686 129.708,50.686 129.759,50.737 129.759,51.262 129.81,51.313 130.218,51.313 130.269,51.262 130.269,50.737 130.32,50.686 130.728,50.686 130.779,50.737 130.779,51.262 130.83,51.313 131.238,51.313 131.289,51.262 131.289,50.737 131.34,50.686 131.748,50.686 131.799,50.737 131.799,51.262 131.85,51.313 132.258,51.313 132.309,51.262 132.309,50.737 132.36,50.686 132.768,50.686 132.819,50.737 132.819,51.262 132.87,51.313 133.278,51.313 133.329,51.262 133.329,50.964 133.394,50.9 133.45,50.9 134.55,50.9 134.712,50.738 134.751,50.699 134.843,50.699 134.855,50.711 134.927,50.711 135.216,50.423 135.216,50.351 134.897,50.032 134.897,49.96 135.186,49.672 135.258,49.672 135.577,49.99 135.649,49.99 135.937,49.702 135.937,49.629 135.619,49.311 135.619,49.239 135.907,48.95 135.979,48.95 136.298,49.269 136.37,49.269 136.658,48.98 136.658,48.908 136.34,48.59 136.34,48.518 136.628,48.229 136.701,48.229 137.019,48.548 137.091,48.548 137.38,48.259 137.38,48.187 137.367,48.174 137.367,48.083 137.399,48.051 137.438,48.012 137.975,47.475 137.975,47.425 137.975,47.37 138.039,47.306 138.119,47.306 138.17,47.255 138.17,46.847 138.119,46.796 137.506,46.796 137.455,46.745 137.455,46.337 137.506,46.286 138.119,46.286 138.17,46.235 138.17,45.827 138.119,45.776 137.506,45.776 137.455,45.725 137.455,45.317 137.506,45.266 138.119,45.266 138.17,45.215 138.17,44.807 138.119,44.756 137.506,44.756 137.455,44.705 137.455,44.297 137.506,44.246 137.911,44.246 137.975,44.181 137.975,43.95 v1(137.975,43.85)
  L10 (Sig) w0.185: v1(137.975,43.85) J3.32@137.975,45.375
B13_IO16P: IC2.AE20 J3.34 | length 52.3
  L1 (Sig) w0.185: IC2.AE20@113.025,62.675 v1(113.525,62.175)
  L3 (Sig) w0.11: v1(113.525,62.175) 113.525,62.711 113.589,62.775 113.961,62.775 114.025,62.711 114.025,57.45 116.25,55.225 121.2,55.225 126.4,50.025 126.6,50.025 126.655,50.025 126.719,50.089 126.719,50.295 126.77,50.346 127.178,50.346 127.229,50.295 127.229,49.975 127.28,49.924 127.688,49.924 127.739,49.975 127.739,50.295 127.79,50.346 128.198,50.346 128.249,50.295 128.249,49.975 128.3,49.924 128.708,49.924 128.759,49.975 128.759,50.295 128.81,50.346 129.218,50.346 129.269,50.295 129.269,49.975 129.32,49.924 129.728,49.924 129.779,49.975 129.779,50.295 129.83,50.346 130.238,50.346 130.289,50.295 130.289,49.975 130.34,49.924 130.748,49.924 130.799,49.975 130.799,50.295 130.85,50.346 131.258,50.346 131.309,50.295 131.309,49.975 131.36,49.924 131.768,49.924 131.819,49.975 131.819,50.295 131.87,50.346 132.278,50.346 132.329,50.295 132.329,50.089 132.394,50.025 132.534,50.025 133.3,50.025 133.378,50.025 133.796,50.443 133.868,50.443 134.157,50.155 134.157,50.083 133.733,49.658 133.733,49.586 134.021,49.298 134.093,49.298 134.517,49.722 134.589,49.722 134.878,49.434 134.878,49.361 134.454,48.937 134.454,48.865 134.742,48.577 134.814,48.577 135.239,49.001 135.311,49.001 135.599,48.712 135.599,48.64 135.175,48.216 135.175,48.144 135.464,47.855 135.536,47.855 135.857,48.177 135.948,48.177 136.024,48.101 136.063,48.062 136.725,47.4 136.78,47.345 137.056,47.345 137.107,47.294 137.107,46.886 137.056,46.835 136.284,46.835 136.233,46.784 136.233,46.376 136.284,46.325 137.056,46.325 137.107,46.274 137.107,45.866 137.056,45.815 136.284,45.815 136.233,45.764 136.233,45.356 136.284,45.305 137.056,45.305 137.107,45.254 137.107,44.846 137.056,44.795 136.284,44.795 136.233,44.744 136.233,44.336 136.284,44.285 136.911,44.285 136.975,44.221 v1(136.975,43.85)
  L10 (Sig) w0.185: v1(136.975,43.85) J3.34@136.975,45.375